# Altium PCB NORA_Clock_V0.2.PcbDoc (part 1 of 3)
Units mm, origin at the board's own origin, x right, y up, seen from the top; angles counter-clockwise.
Board outline 118 x 203.33 mm, 2 copper layers (Top Layer, Bottom Layer), stack 1.671 mm thick; 239 components, 178 nets, 1118 pads, 1365 vias.
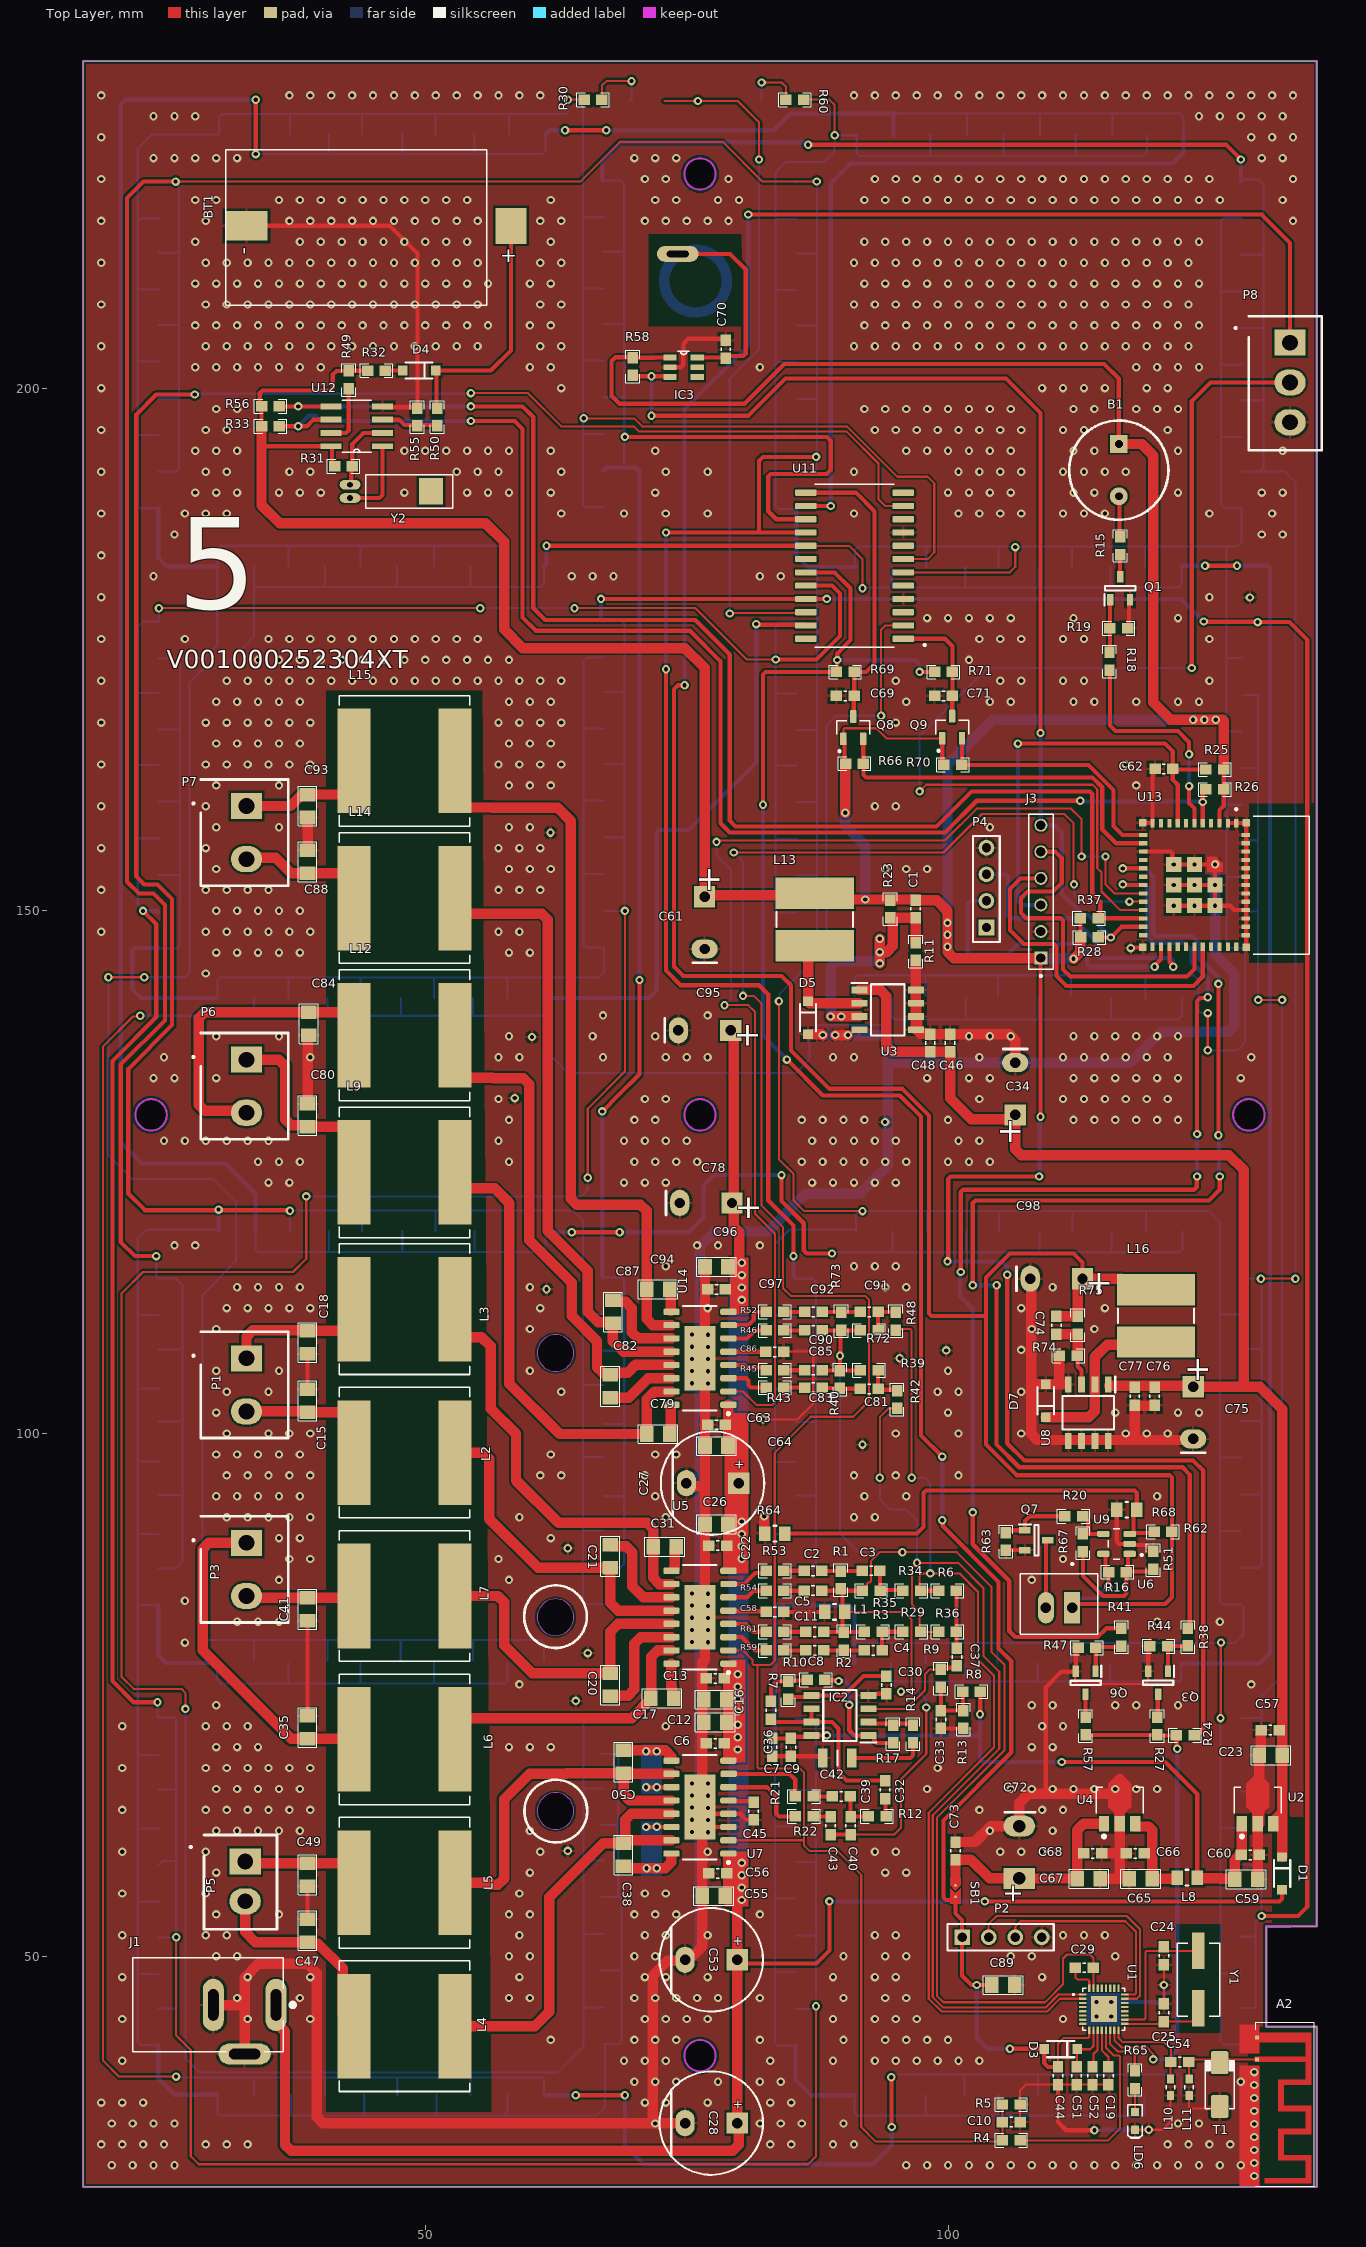
[diagram p0: Top Layer view]
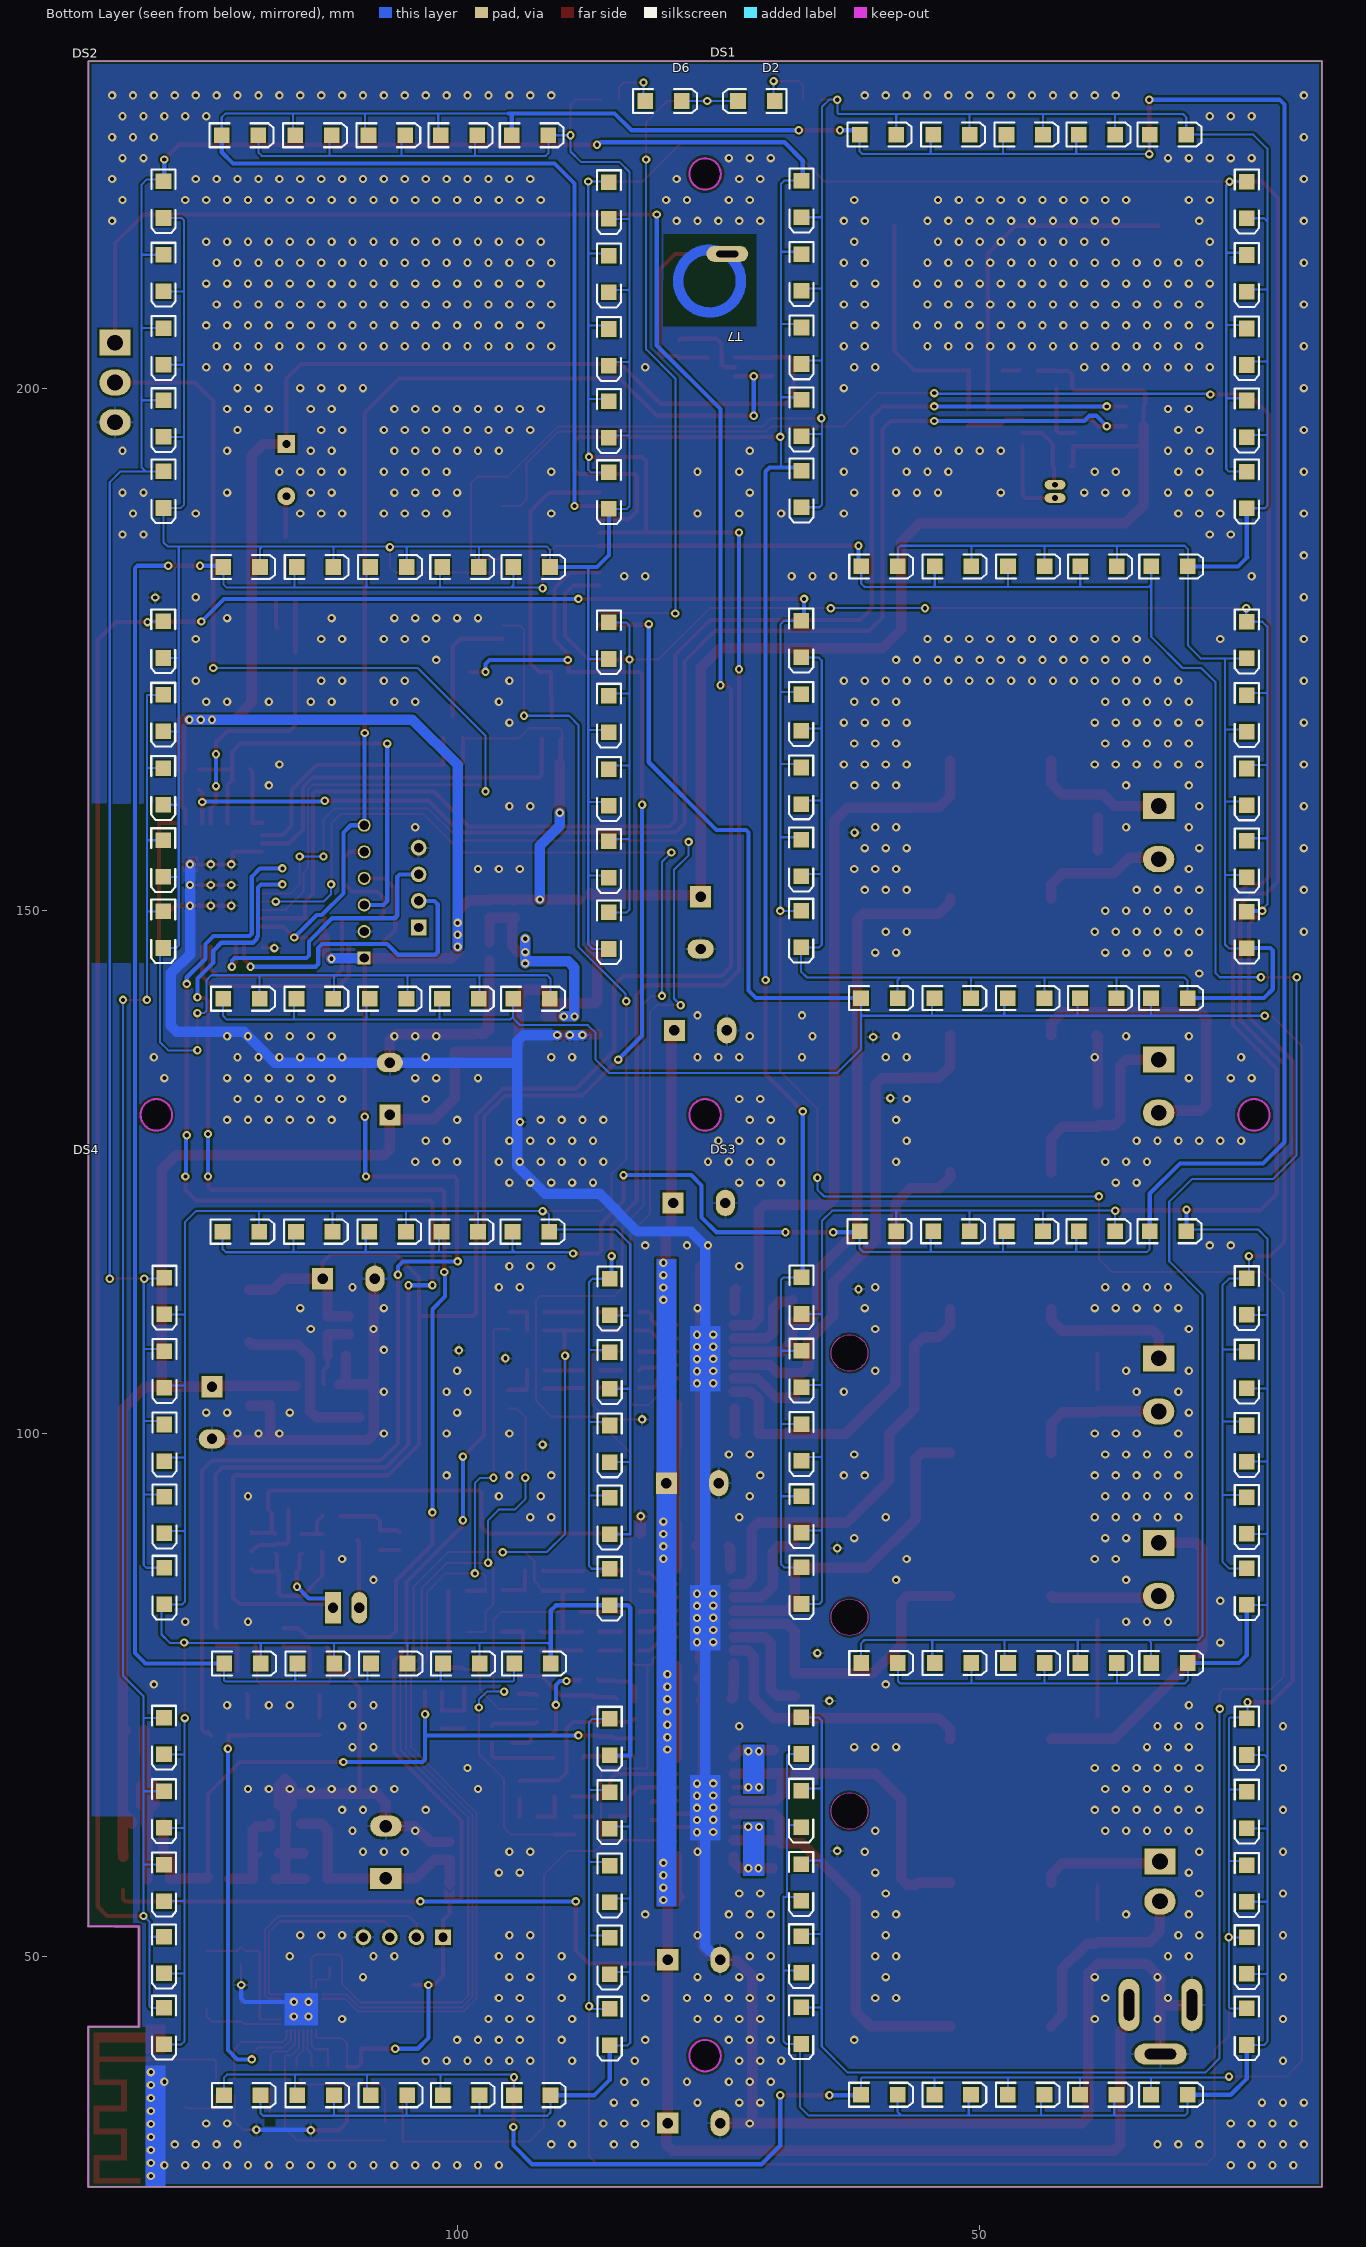
[diagram p1: Bottom Layer view, seen from below]

## Layer stack, top to bottom
Top Solder: solder mask 0.0102, Solder Resist, Dk 3.5
Top Layer: signal copper 0.0356
Dielectric 1: dielectric 1.6, FR-4, Dk 1.6
Bottom Layer: signal copper 0.0356
Bottom Solder: solder mask 0.0102, Solder Resist, Dk 3.5

## Board outline
17.272,27.94 17.272,231.267 135.272,231.267 135.272,52.879 130.429,52.786 130.429,43.24 135.272,43.24 135.272,27.94
cut-out: 60.706,107.696 ccw(c62.456,107.696) 62.456,105.946 ccw(c62.456,107.696) 64.206,107.696 ccw(c62.456,107.696) 62.456,109.446 ccw(c62.456,107.696)
cut-out: 60.706,63.881 ccw(c62.456,63.881) 62.456,62.131 ccw(c62.456,63.881) 64.206,63.881 ccw(c62.456,63.881) 62.456,65.631 ccw(c62.456,63.881)
cut-out: 60.706,82.423 ccw(c62.456,82.423) 62.456,80.673 ccw(c62.456,82.423) 64.206,82.423 ccw(c62.456,82.423) 62.456,84.173 ccw(c62.456,82.423)
cut-out: 127.272,130.48 ccw(c128.772,130.48) 128.772,128.98 ccw(c128.772,130.48) 130.272,130.48 ccw(c128.772,130.48) 128.772,131.98 ccw(c128.772,130.48)
cut-out: 76.272,128.98 cw(c76.272,130.48) 74.772,130.48 cw(c76.272,130.48) 76.272,131.98 cw(c76.272,130.48) 77.772,130.48 cw(c76.272,130.48)
cut-out: 23.772,128.98 cw(c23.772,130.48) 22.272,130.48 cw(c23.772,130.48) 23.772,131.98 cw(c23.772,130.48) 25.272,130.48 cw(c23.772,130.48)
cut-out: 76.272,218.98 cw(c76.272,220.48) 74.772,220.48 cw(c76.272,220.48) 76.272,221.98 cw(c76.272,220.48) 77.772,220.48 cw(c76.272,220.48)
cut-out: 74.772,40.48 ccw(c76.272,40.48) 76.272,38.98 ccw(c76.272,40.48) 77.772,40.48 ccw(c76.272,40.48) 76.272,41.98 ccw(c76.272,40.48)

## Design rules (kind name [scope] priority, off if disabled: settings)
Clearance [All] p1: gap=0.2 ignorepadtopadclearanceinfootprint=FALSE except(0.18: Arc-Arc Arc-Track Arc-SMDPad Track-Track Track-SMDPad SMDPad-SMDPad)
FanoutControl Fanout_Default [All] p1: bgadir=Out bgaviamode=Centered fanoutstyle=Auto fanoutdirection=Alternating viagrid=0.025 // Fanout_Default (Default Rule)
FanoutControl Fanout_Small [(CompPinCount < 5)] p2: bgadir=Out bgaviamode=Centered fanoutstyle=Auto fanoutdirection=OutThenIn viagrid=0.025 // Fanout_Small (Default Rule)
FanoutControl Fanout_LCC [IsLCC] p4: bgadir=Out bgaviamode=Centered fanoutstyle=Auto fanoutdirection=Alternating viagrid=0.025 // Fanout_LCC (Default Rule)
FanoutControl Fanout_BGA [IsBGA] p5: bgadir=Out bgaviamode=Centered fanoutstyle=Auto fanoutdirection=Alternating viagrid=0.025 // Fanout_BGA (Default Rule)
PolygonConnect [All] p1: connectstyle=Relief reliefconductorwidth=0.254 reliefentries=4 polygonreliefangle="90 Angle" airgapwidth=0.254
RoutingVias [All] p1: holewidth=0.4 width=0.8 viastyle="Through Hole" minholewidth=0.4 minwidth=0.8 maxholewidth=0.4 maxwidth=0.8
SolderMaskExpansion [All] p1: expansion=0.102 istentingtop=FALSE
Width [All] p1: maxlimit=1 minlimit=0.2 preferedwidth=0.4
26 further rules are at their usual default settings.

## Classes and differential pairs
component class Clock: B1 BT1 C62 C69 C70 C71 D2 D4 D6 DS1 DS2 DS3 DS4 IC3 J3 jc P4 P8 Q1 Q3 Q6 Q8 Q9 R15 R18 R19 R24 R25 R26 R27 R28 R30 R31 R32 R33 R37 R38 R41 R44 R47 R49 R50 R55 R56 R57 R58 R60 R66 R69 R70 R71 T7 U11 U12 U13 Y2
component class Amplifier: C2 C3 C4 C5 C6 C7 C8 C9 C10 C11 C12 C13 C15 C16 C17 C18 C20 C21 C22 C26 C27 C28 C30 C31 C32 C33 C35 C36 C37 C38 C39 C40 C41 C42 C43 C45 C47 C49 C50 C53 C55 C56 C58 C63 C64 C78 C79 C80 C81 C82 C83 C84 C85 C86 C87 C88 C90 C91 C92 C93 C94 C95 C96 C97 IC2 L1 L2 L3 L4 L5 L6 L7 L9 L12 L14 L15 P1 P3 P5 P6 P7 Q7 R1 R2 R3 R4 R5 R6 R7 R8 R9 R10 R12 R13 R14 R16 R17 R20 R21 R22 R29 R34 R35 R36 R39 R40 R42 R43 R45 R46 R48 R51 R52 R53 R54 R59 R61 R62 R63 R64 R67 R68 R72 R73 U5 U6 u6 U7 U9 U14
component class POWER: C1 C23 C34 C46 C48 C57 C59 C60 C61 C65 C66 C67 C68 C72 C73 C74 C75 C76 C77 C98 D1 D5 D7 J1 L8 L13 L16 R11 R23 R74 R75 SB1 U2 U3 U4 u6 U8
component class Bluetooth: 1 A2 C19 C24 C25 C29 C44 C51 C52 C54 C89 D3 L10 L11 LD6 P2 R65 T1 U1 Y1

## Components (designator, comment, footprint, x,y, rotation, side; value= is the part's Value field where it differs from the comment)
A2 "ANTENNA 2.4GHZ" "ANTENNA 2.4GHZ - TI" 129.34,40.182 r270 top
B1 "9MM" Buzzer-TMB09A05 116.332,192.151 r270 top
BT1 "LP 2032" "battery Holder 2032" 43.688,215.519 r180 top
C1 "100n" cap0603 96.898,150.177 r270 top
C2 "2.2u" cap0603 87.079,86.863 r180 top
C3 "100n" cap0603 92.638,86.868 r0 top
C4 "100n" cap0603 92.837,79.248 r0 top
C5 "2.2u" cap0603 87.079,84.963 r0 top
C6 "100n" cap0603 77.724,70.358 r180 top
C7 "100n" cap0603 83.185,69.977 r90 top
C8 "2.2u" cap0603 87.249,79.248 r0 top
C9 "10u" cap0603 84.963,69.977 r270 top
C10 "2.2u" cap0603 106.045,34.125 r180 top
C11 "2.2u" cap0603 87.249,81.026 r0 top
C12 "10u" "CAP 0805" 77.724,72.39 r0 top
C13 "100n" cap0603 77.724,76.581 r180 top
C15 "1u" "CAP 0805" 38.735,103.124 r270 top
C16 "10u" "CAP 0805" 77.724,74.549 r0 top
C17 "1u" "CAP 0805" 72.644,74.676 r0 top
C18 "1u" "CAP 0805" 38.735,108.712 r270 top
C19 "1u" cap0603 115.343,38.562 r270 top
C20 "1u" "CAP 0805" 67.691,75.946 r270 top
C21 "1u" "CAP 0805" 67.691,88.265 r90 top
C22 "100n" cap0603 77.978,89.281 r180 top
C23 "10u" "CAP 0805" 130.88,69.227 r0 top
C24 "NC" cap0603 120.65,50.038 r90 top
C25 "NC" cap0603 120.65,44.596 r90 top
C26 "10u" "CAP 0805" 77.851,91.313 r0 top
C27 "1000u/25v" "CAP DIP 10*13" 77.47,95.25 r270 top
C28 "1000u/25v" "CAP DIP 10*13" 77.343,34.036 r270 top
C29 "1u" cap0603 113.03,48.895 r0 top
C30 "10n" cap0603 94.107,75.946 r90 top
C31 "1u" "CAP 0805" 72.898,89.154 r0 top
C32 "470n" cap0603 93.98,65.913 r270 top
C33 "4.7u" cap0603 99.314,72.644 r90 top
C34 "1000u/25v" "CAP DIP 10*13" 106.426,132.969 r180 top
C35 "1u" "CAP 0805" 38.735,71.882 r270 top
C36 "22n" cap0603 83.058,73.533 r90 top
C37 "4.7u" cap0603 100.838,78.613 r90 top
C38 "1u" "CAP 0805" 68.961,59.69 r270 top
C39 "2.2u" cap0603 89.789,65.278 r0 top
C40 "1n" cap0603 90.678,62.484 r90 top
C41 "1u" "CAP 0805" 38.735,83.185 r270 top
C42 "10u" "CAP 1206" 89.408,68.961 r0 top
C43 "2.2u" cap0603 88.773,62.484 r270 top
C44 "1u" cap0603 110.517,38.562 r270 top
C45 "1u" cap0603 81.407,63.881 r90 top
C46 "100n" cap0603 100.2,137.35 r270 top
C47 "1u" "CAP 0805" 38.735,52.451 r270 top
C48 "100n" cap0603 98.295,137.35 r270 top
C49 "1u" "CAP 0805" 38.735,57.785 r270 top
C50 "1u" "CAP 0805" 68.961,68.58 r90 top
C51 "1u" cap0603 112.295,38.562 r270 top
C52 "1u" cap0603 113.819,38.562 r270 top
C53 "1000u/25v" "CAP DIP 10*13" 77.343,49.657 r270 top
C54 "2.7p" cap0603 122.174,39.878 r180 top
C55 "10u" "CAP 0805" 77.597,55.753 r0 top
C56 "100n" cap0603 77.978,57.912 r180 top
C57 "100n" cap0603 130.81,71.628 r0 top
C58 "1u" cap0603 83.439,82.931 r180 top
C59 "10u" "CAP 0805" 128.524,57.366 r180 top
C60 "100n" cap0603 128.905,59.69 r180 top
C61 "1000u/25v" "CAP DIP 10*13" 76.708,148.844 r0 top
C62 "1u" cap0603 120.65,163.576 r0 top
C63 "100n" cap0603 77.851,100.838 r180 top
C64 "10u" "CAP 0805" 77.851,98.806 r0 top
C65 "10u" "CAP 0805" 118.426,57.416 r0 top
C66 "100n" cap0603 117.918,59.829 r0 top
C67 "10u" "CAP 0805" 113.473,57.416 r180 top
C68 "100n" cap0603 113.854,59.829 r180 top
C69 "10p" cap0603 90.17,170.561 r0 top
C70 "1p" cap0603 78.74,203.708 r90 top
C71 "10p" cap0603 99.568,170.561 r180 top
C72 "1000U" "cap  dip 10*20" 106.807,59.944 r90 top
C73 "1u" cap0603 100.711,60.071 r270 top
C74 "100n" cap0603 110.363,110.363 r270 top
C75 "1000u/25v" "CAP DIP 10*13" 123.444,101.981 r0 top
C76 "100n" cap0603 119.766,103.555 r90 top
C77 "100n" cap0603 117.861,103.555 r90 top
C78 "1000u/25v" "CAP DIP 10*13" 76.835,122.047 r270 top
C79 "1u" "CAP 0805" 72.263,99.949 r0 top
C80 "1u" "CAP 0805" 38.735,130.429 r270 top
C81 "100n" cap0603 92.456,104.267 r0 top
C82 "1u" "CAP 0805" 67.691,104.521 r270 top
C83 "2.2u" cap0603 87.122,104.394 r0 top
C84 "1u" "CAP 0805" 38.862,139.192 r270 top
C85 "2.2u" cap0603 87.122,106.045 r0 top
C86 "1u" cap0603 83.432,107.814 r180 top
C87 "1u" "CAP 0805" 67.945,111.633 r90 top
C88 "1u" "CAP 0805" 38.735,154.686 r270 top
C89 "10u" "CAP 0805" 105.283,47.244 r180 top
C90 "2.2u" cap0603 87.122,109.855 r0 top
C91 "100n" cap0603 92.456,111.633 r0 top
C92 "2.2u" cap0603 87.122,111.633 r180 top
C93 "1u" "CAP 0805" 38.735,160.02 r270 top
C94 "1u" "CAP 0805" 72.263,113.792 r0 top
C95 "1000u/25v" "CAP DIP 10*13" 76.708,138.557 r270 top
C96 "10u" "CAP 0805" 77.851,115.951 r0 top
C97 "100n" cap0603 77.851,113.792 r180 top
C98 "1000u/25v" "CAP DIP 10*13" 110.363,114.808 r270 top
D1 "1N5819(SOD123)" "1N5819 SOD-123" 131.953,57.912 r270 top
D2 "LED, White" "LED 1206" 71.374,227.457 r0 bottom
D3 "1N4148" "1N4148 SOD-123" 110.771,41.102 r0 top
D4 "1N5819(SOD123)" "1N5819 SOD-123" 49.403,201.676 r180 top
D5 "1N5819(SOD123)" "1N5819 SOD-123" 86.611,139.763 r270 top
D6 "LED, White" "LED 1206" 80.264,227.457 r180 bottom
D7 "1N5819(SOD123)" "1N5819 SOD-123" 109.347,103.124 r90 top
DS1 "7SEG" "7Seg 90*60 - No Wiring COMMON Cathod - 1206" 45.656,182.846 r180 bottom locked
DS2 "7SEG" "7Seg 90*60 - No Wiring COMMON Cathod - 1206" 106.68,182.784 r180 bottom locked
DS3 "7SEG" "7Seg 90*60 - No Wiring COMMON Cathod - 1206" 45.656,77.944 r180 bottom locked
DS4 "7SEG" "7Seg 90*60 - No Wiring COMMON Cathod - 1206" 106.601,77.903 r180 bottom locked
IC2 "RC4558DR" RC4558 89.662,73.025 r180 top
IC3 "BS812C-1" BS812C-1 74.701,201.993 r0 top
J1 "Power jack" "Power jack" 29.218,45.339 r180 top
J3 "NC" "pin header1*6" 108.881,145.48 r90 top
L1 "Ferrite-0805" Ferrite-0805 89.154,82.931 r180 top
L2 "10uH, 12*12" "inductor 12*12" 48.006,98.171 r0 top
L3 "10uH, 12*12" "inductor 12*12" 48.006,111.887 r0 top
L4 "10uH, 12*12" "inductor 12*12" 48.006,43.307 r0 top
L5 "10uH, 12*12" "inductor 12*12" 48.006,57.023 r0 top
L6 "10uH, 12*12" "inductor 12*12" 48.006,70.739 r0 top
L7 "10uH, 12*12" "inductor 12*12" 48.006,84.455 r0 top
L8 "Ferrite-0805" Ferrite-0805 122.871,57.516 r180 top
L9 "10uH, 12*12" "inductor 12*12" 48.006,124.968 r0 top
L10 "NC" "inductor 0603" 121.285,37.465 r270 top
L11 "NC" "inductor 0603" 123.063,37.465 r270 top
L12 "10uH, 12*12" "inductor 12*12" 48.006,138.091 r0 top
L13 "33uH, 8*7" "Inductor 8*7" 87.246,149.161 r270 top
L14 "10uH, 12*12" "inductor 12*12" 48.006,151.215 r0 top
L15 "10uH, 12*12" "inductor 12*12" 48.006,164.338 r0 top
L16 "33uH, 8*7" "Inductor 8*7" 119.888,111.252 r270 top
LD6 "LED, White" LED-0603-BLUE 117.883,34.244 r270 top
P1 "Header 2" CONN-PHOENIX-5.08 32.893,104.775 r270 top
P2 "SWD" HDR1X4H 101.346,51.816 r0 top
P3 "Header 2" CONN-PHOENIX-5.08 32.893,87.122 r270 top
P4 "SWD" HDR1X4H 103.674,148.401 r90 top
P5 "Header 2" CONN-PHOENIX-3.81 32.639,57.15 r270 top
P6 "Header 2" CONN-PHOENIX-5.08 32.893,133.35 r270 top
P7 "Header 2" CONN-PHOENIX-5.08 32.893,157.607 r270 top
P8 "Header 3Pin" "CONN-PHOENIX-3.81 3Pin" 132.715,200.533 r270 top
Q1 "BC817" "BJT SS805" 116.464,180.847 r90 top
Q3 "BC817" "BJT SS805" 120.094,76.165 r270 top
Q6 "BC817" "BJT SS805" 113.157,76.146 r270 top
Q7 "BC817" BC817 108.458,89.789 r0 top
Q8 "BSS138" BSS138 90.932,167.513 r90 top
Q9 "BSS138" BSS138 100.391,167.557 r90 top
R1 "3.3k" RES-0603 89.746,85.979 r90 top
R2 "NC" RES-0603 90.043,80.137 r270 top
R3 "10k" RES-0603 92.837,81.026 r180 top
R4 "33k" RES-0603 106.045,32.385 r0 top
R5 "22K" RES-0603 106.045,35.814 r180 top
R6 "27K" RES-0603 99.949,84.963 r0 top
R7 "10k" RES-0603 84.709,75.438 r90 top
R8 "3.3K" RES-0603 102.235,75.311 r180 top
R9 "47k" RES-0603 99.314,76.581 r270 top
R10 "10K" RES-0603 87.376,76.454 r180 top
R11 "3.3k" RES-0603 96.898,146.113 r270 top
R12 "10K" RES-0603 93.218,63.373 r0 top
R13 "2.2K" RES-0603 101.473,72.644 r270 top
R14 "2.2k" RES-0603 96.647,71.247 r270 top
R15 "100R" RES-0603 116.459,184.912 r90 top
R16 "10k" RES-0603 116.205,86.741 r0 top
R17 "3.3k" RES-0603 94.742,71.247 r270 top
R18 "1K" RES-0603 115.443,173.863 r270 top
R19 "4.7k" RES-0603 116.332,177.038 r180 top
R20 "1k" RES-0603 112.014,92.075 r0 top
R21 "0R" RES-0603 86.233,65.278 r0 top
R22 "0R" RES-0603 86.233,63.373 r0 top
R23 "5.6k" RES-0603 94.485,150.177 r270 top
R24 "22K" RES-0603 122.682,71.12 r0 top
R25 "10k" RES-0603 125.518,163.514 r0 top
R26 "10k" RES-0603 125.518,161.609 r0 top
R27 "3.3k" RES-0603 120.015,72.009 r90 top
R28 "10k" RES-0603 113.538,147.447 r180 top
R29 "33k" RES-0603 96.52,81.026 r180 top
R30 "1k" RES-0603 66.04,227.584 r0 top
R31 "NC" RES-0603 42.164,192.532 r180 top
R32 "R, 0603" RES-0603 45.339,201.676 r0 top
R33 "4.7k" RES-0603 35.179,196.342 r180 top
R34 "0R" RES-0603 96.52,84.963 r180 top
R35 "NC" RES-0603 92.656,84.963 r0 top
R36 "27K" RES-0603 99.949,81.026 r180 top
R37 "10k" RES-0603 113.496,149.287 r0 top
R38 "1k" RES-0603 122.949,80.54 r270 top
R39 "10k" RES-0603 92.456,106.045 r180 top
R40 "NC" RES-0603 89.662,105.156 r270 top
R41 "1k" RES-0603 116.586,80.518 r270 top
R42 "33k" RES-0603 95.123,103.251 r90 top
R43 "0R" RES-0603 83.439,104.394 r0 top
R44 "4.7K" RES-0603 120.155,79.651 r0 top
R45 "0R" RES-0603 83.439,106.045 r0 top
R46 "0R" RES-0603 83.439,109.855 r0 top
R47 "4.7K" RES-0603 113.284,79.502 r0 top
R48 "0R" RES-0603 94.996,110.744 r90 top
R49 "4.7k" RES-0603 42.672,200.787 r90 top
R50 "NC" RES-0603 51.143,197.226 r90 top
R51 "1k" RES-0603 119.634,87.884 r90 top
R52 "0R" RES-0603 83.439,111.633 r0 top
R53 "0R" RES-0603 83.439,86.863 r0 top
R54 "0R" RES-0603 83.439,84.958 r0 top
R55 "NC" RES-0603 49.238,197.226 r90 top
R56 "4.7k" RES-0603 35.179,198.247 r0 top
R57 "0R" RES-0603 113.157,72.009 r270 top
R58 "10k" RES-0603 69.85,202.057 r90 top
R59 "0R" RES-0603 83.439,79.248 r0 top
R60 "1k" RES-0603 85.344,227.584 r180 top
R61 "0R" RES-0603 83.439,81.026 r0 top
R62 "10k" RES-0603 120.571,90.586 r180 top
R63 "4.7k" RES-0603 105.537,89.662 r90 top
R64 "NTC 10K" RES-0805 83.439,90.424 r180 top
R65 "1k" RES-0603 117.883,38.181 r90 top
R66 "10k" RES-0603 91.059,164.084 r0 top
R67 "22k" RES-0603 112.903,89.535 r270 top
R68 "NTC 10K" RES-0805 117.094,92.71 r180 top
R69 "10k" RES-0603 90.17,172.847 r0 top
R70 "10k" RES-0603 100.457,163.957 r0 top
R71 "10k" RES-0603 99.568,172.847 r0 top
R72 "NC" RES-0603 92.456,109.855 r0 top
R73 "3.3k" RES-0603 89.789,110.744 r90 top
R74 "1k" RES-0603 111.506,107.442 r180 top
R75 "9.1k" RES-0603 112.395,110.363 r270 top
SB1 "jumper" JP2_SMD 100.711,56.269 r270 top
T1 "BioDirectional TVS Diod" SMAJ3.3A 125.984,37.719 r270 top
T7 "Snooz_T" "Touch pad CIRCULE - 5mm" 75.845,210.229 r0 bottom
U1 "JL7016C" JL7016C 114.908,44.931 r0 top locked
U2 "78L12" 78L05 129.61,64.655 r0 top
U3 "XL1509-12E" FR9886 94.231,140.525 r0 top
U4 "78L05" 78L05 116.418,64.655 r0 top
U5 "CS8673E" CS8673E 76.269,82.423 r180 top
U6 "FAN_12V" "FAN_Connector XH" 110.617,82.804 r180 top
U7 "CS8673E" CS8673E 76.269,64.262 r180 top
U8 "XL1509-12E" FR9886 113.411,101.981 r270 top
U9 "LM321" LM321 116.116,89.44 r180 top
U11 "MAX7221CWG+T" MAX7221CWG 91.059,183.007 r180 top
U12 "DS1307Z+" DS1307 43.561,196.469 r180 top
U13 "ESP32-C3-MINI-1-N4" ESP32-C3-MINI-1 126.268,152.463 r270 top
U14 "CS8673E" CS8673E 76.269,107.188 r180 top
Y1 "24MHZ" "crystal b" 123.952,47.752 r90 top
Y2 "32.768" Crystal_AB38T-32.768KHZ 42.799,190.119 r180 top
